# Altium PCB InsaneKeyboard.PcbDoc (part 1 of 4)
Units mil, origin at the board's own origin, x right, y up, seen from the top; angles counter-clockwise.
Board outline 7442.83 x 6333.68 mil, 4 copper layers (Top Layer, Int1 (GND), Int2 (GND), Bottom Layer), stack 60.6 mil thick; 288 components, 175 nets, 883 pads, 541 vias.
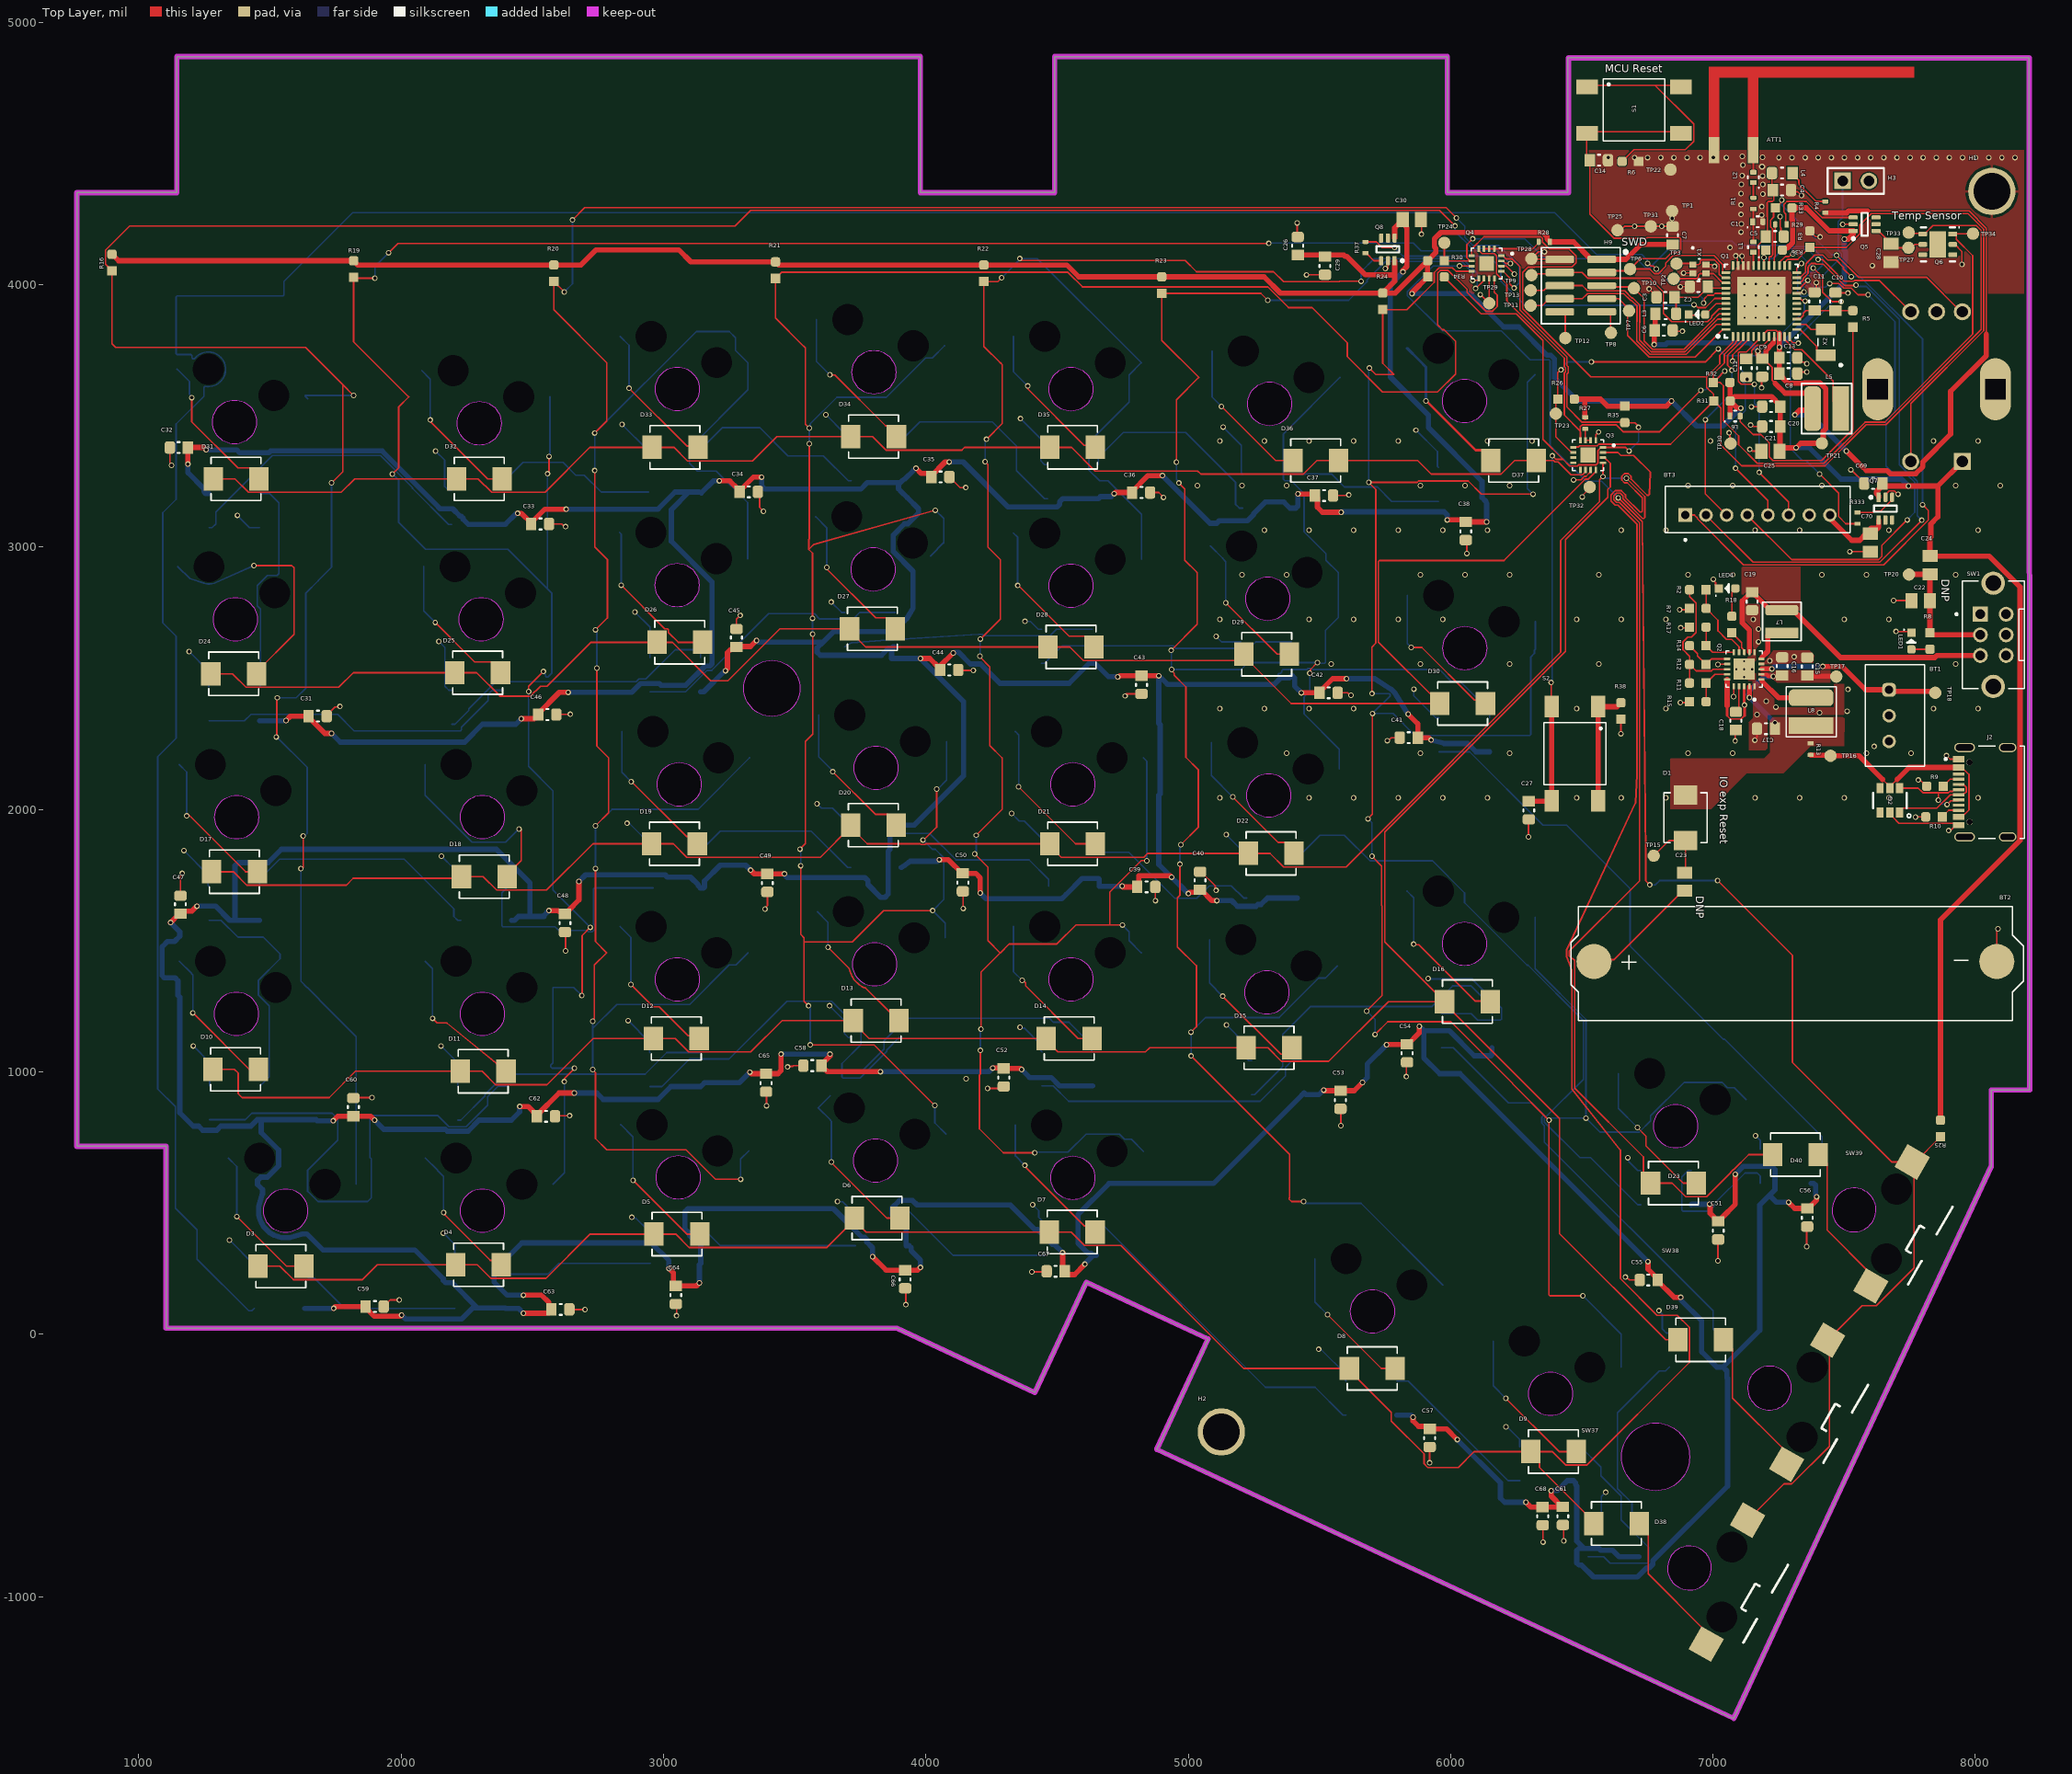
[diagram p0: Top Layer view]
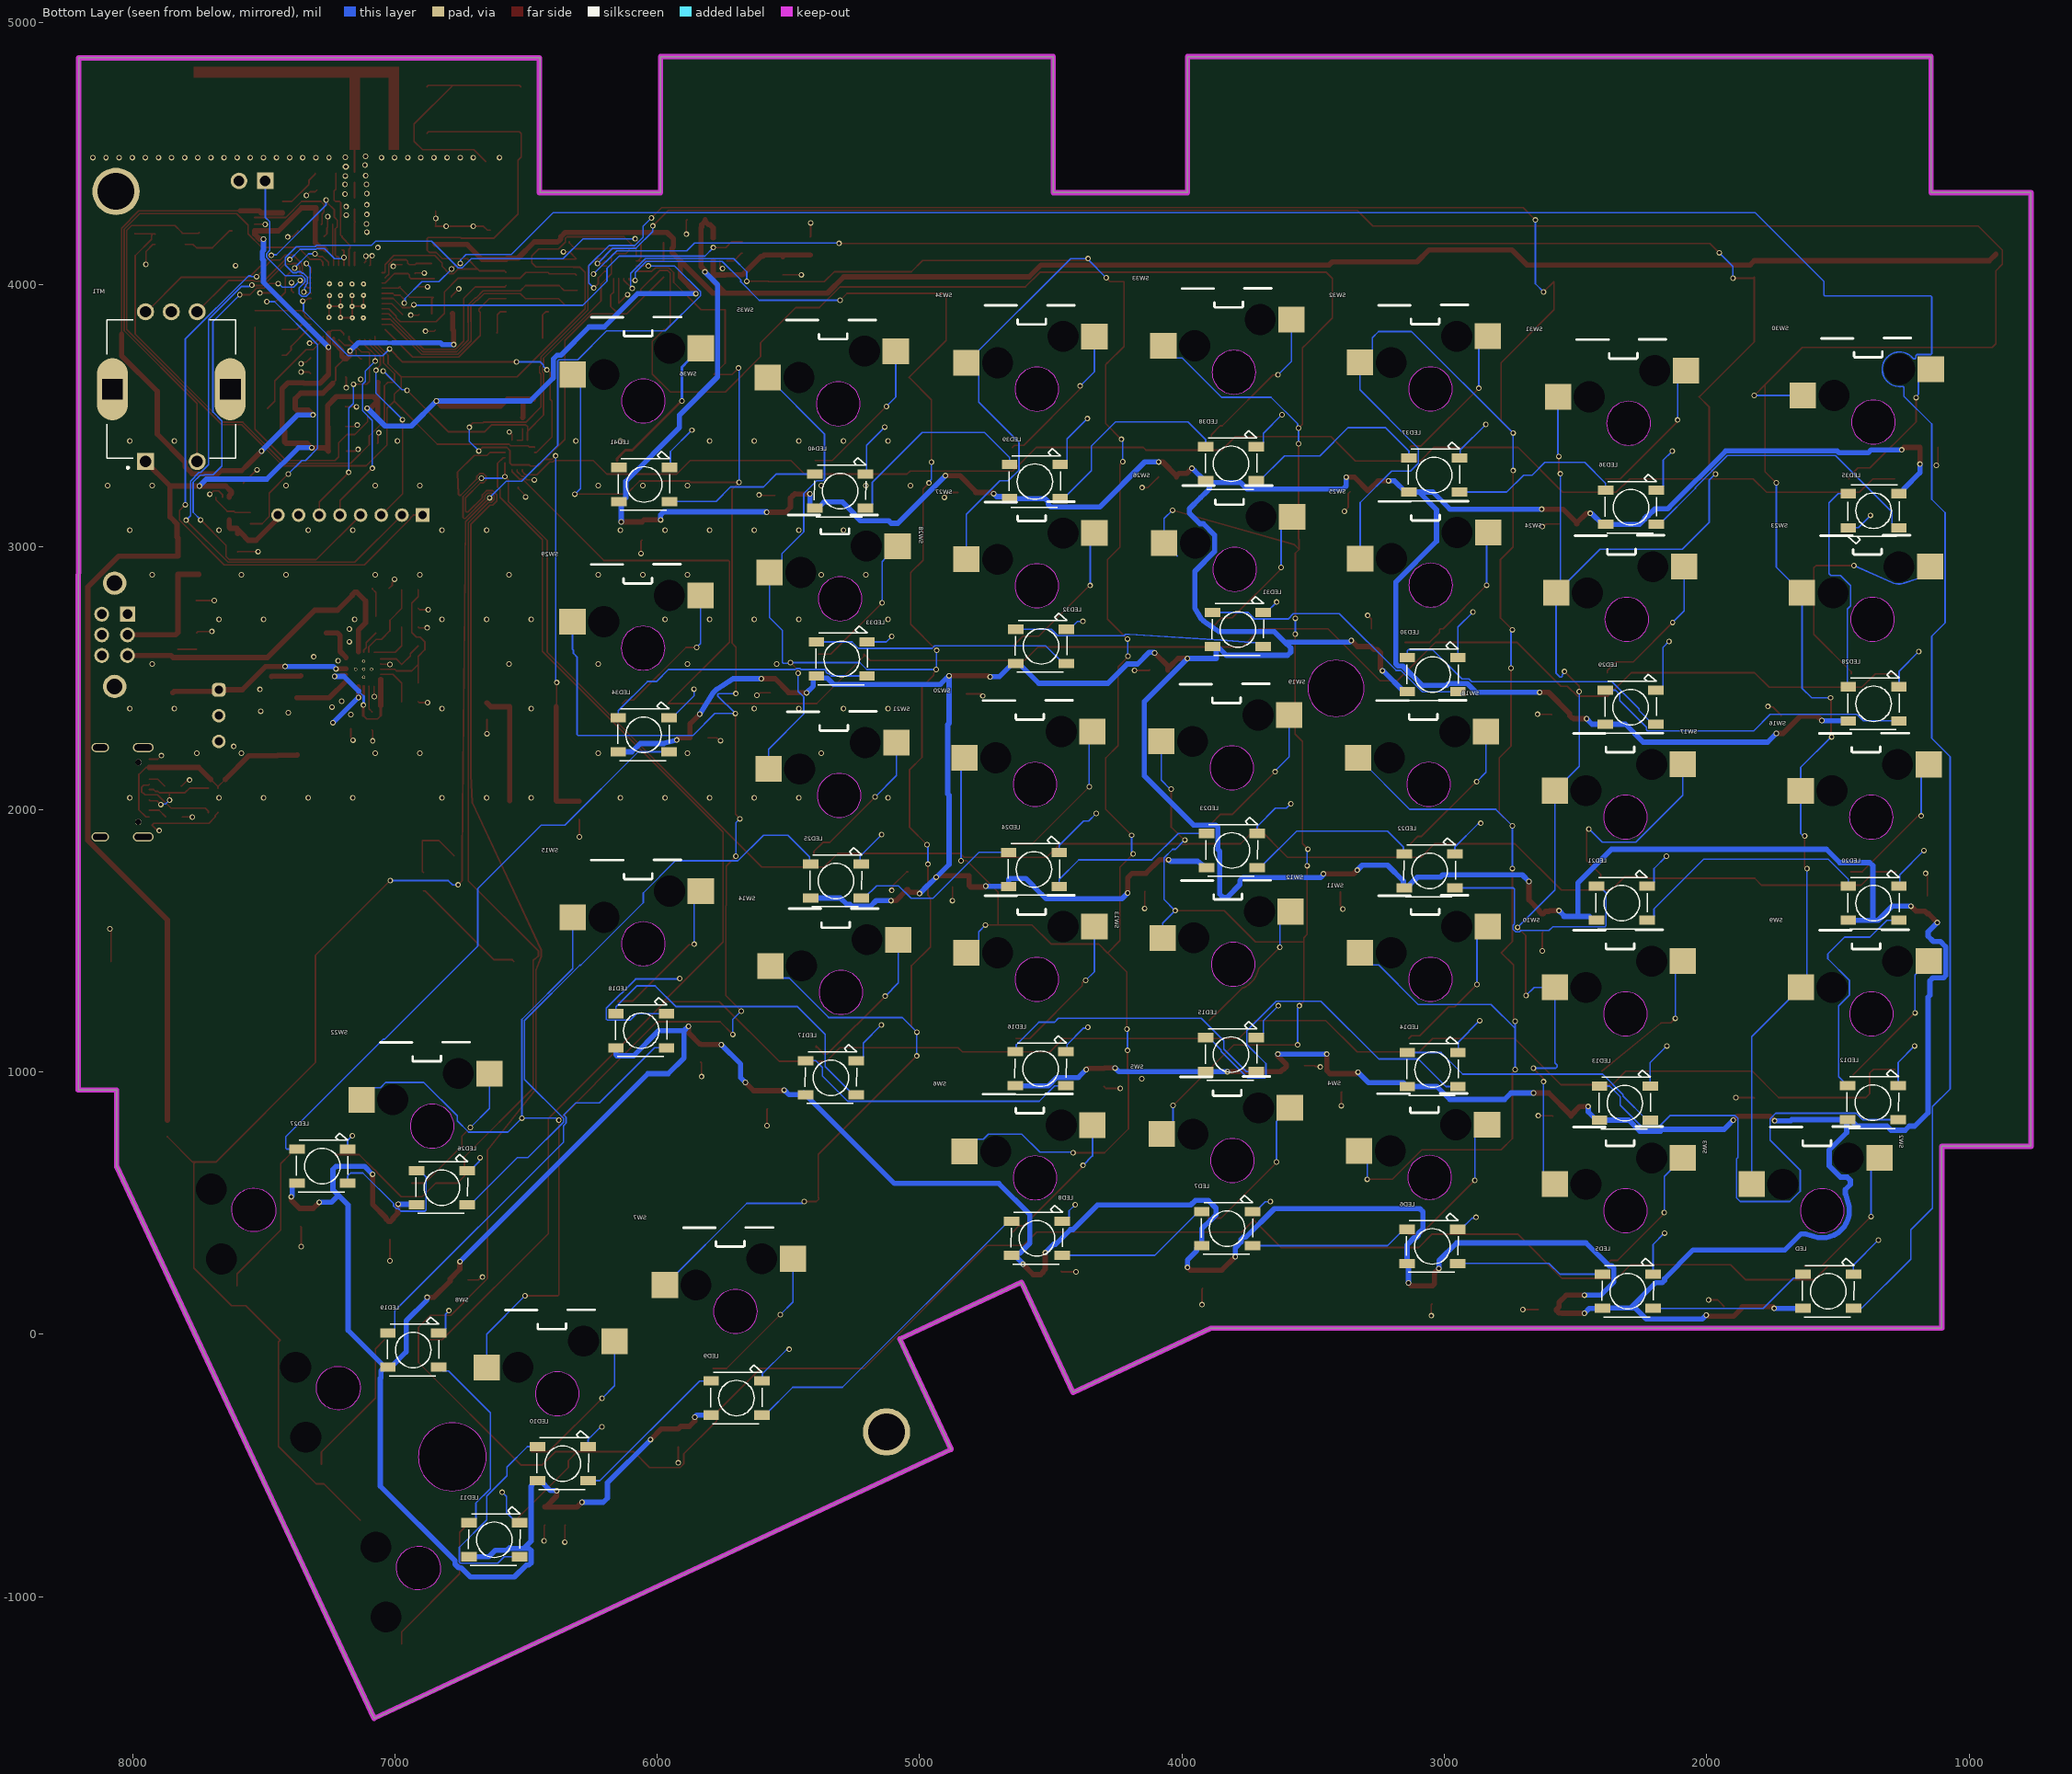
[diagram p1: Bottom Layer view, seen from below]
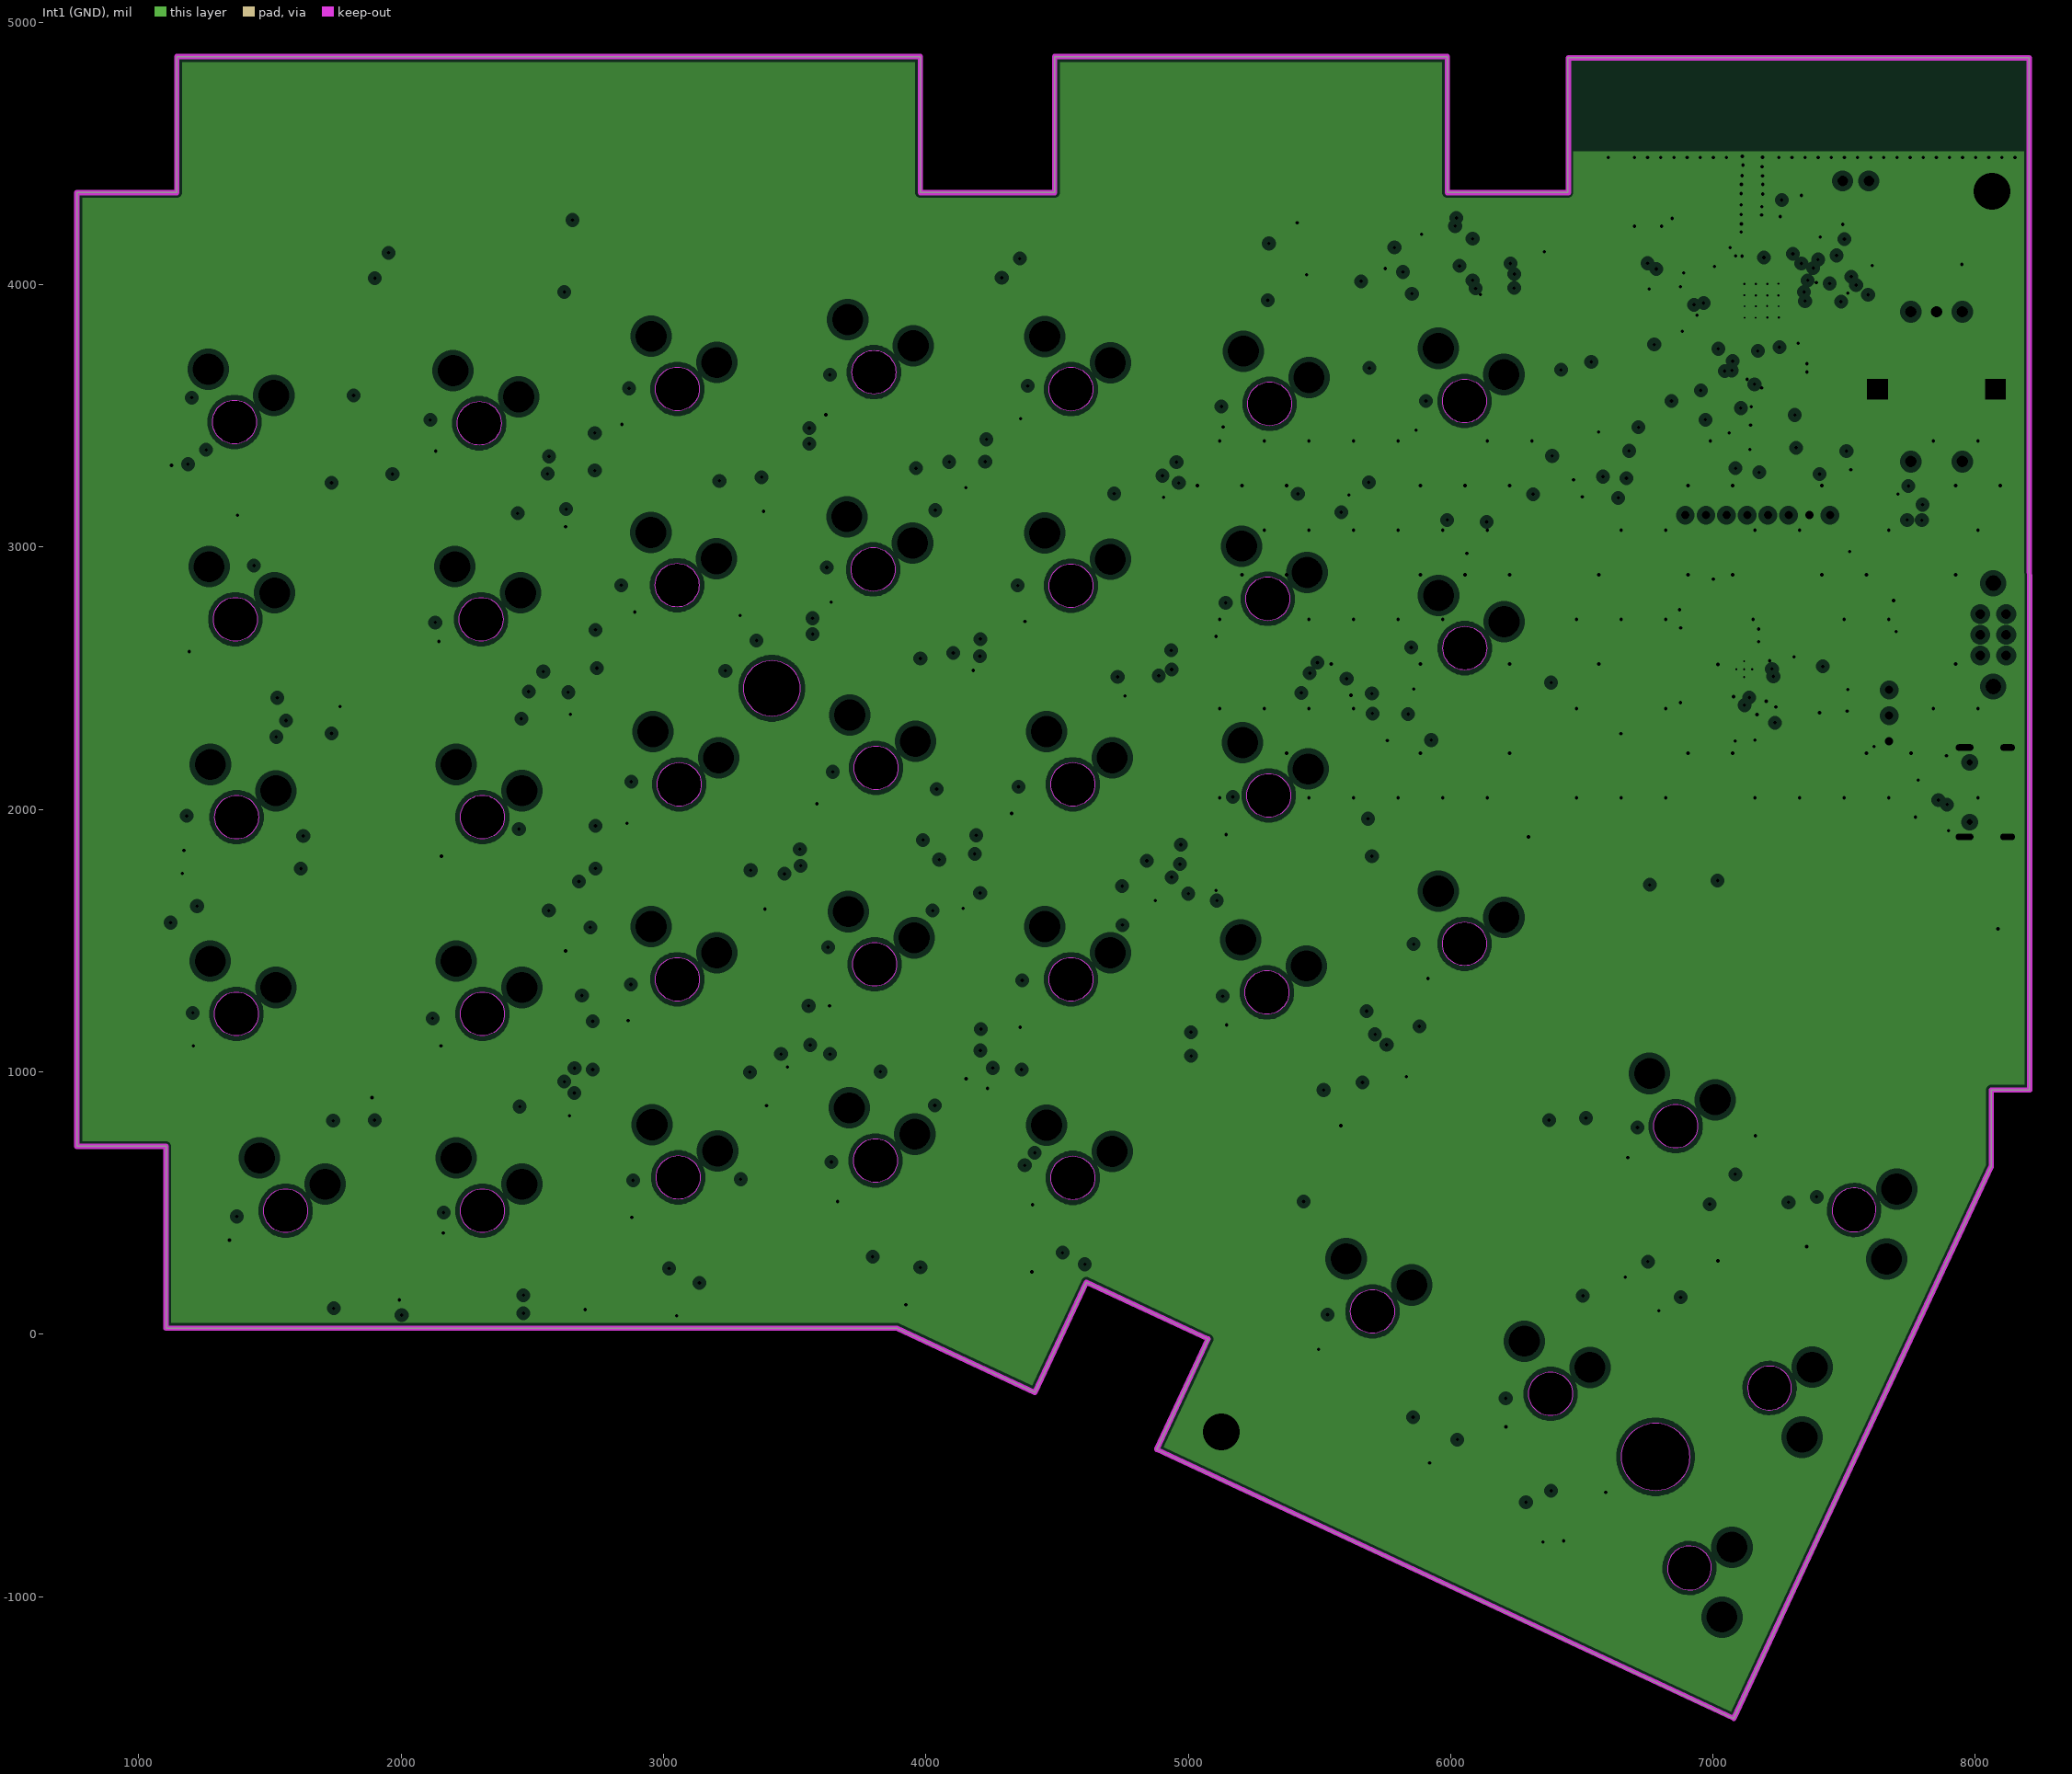
[diagram p2: Int1 (GND), clearances drawn from the general rule]
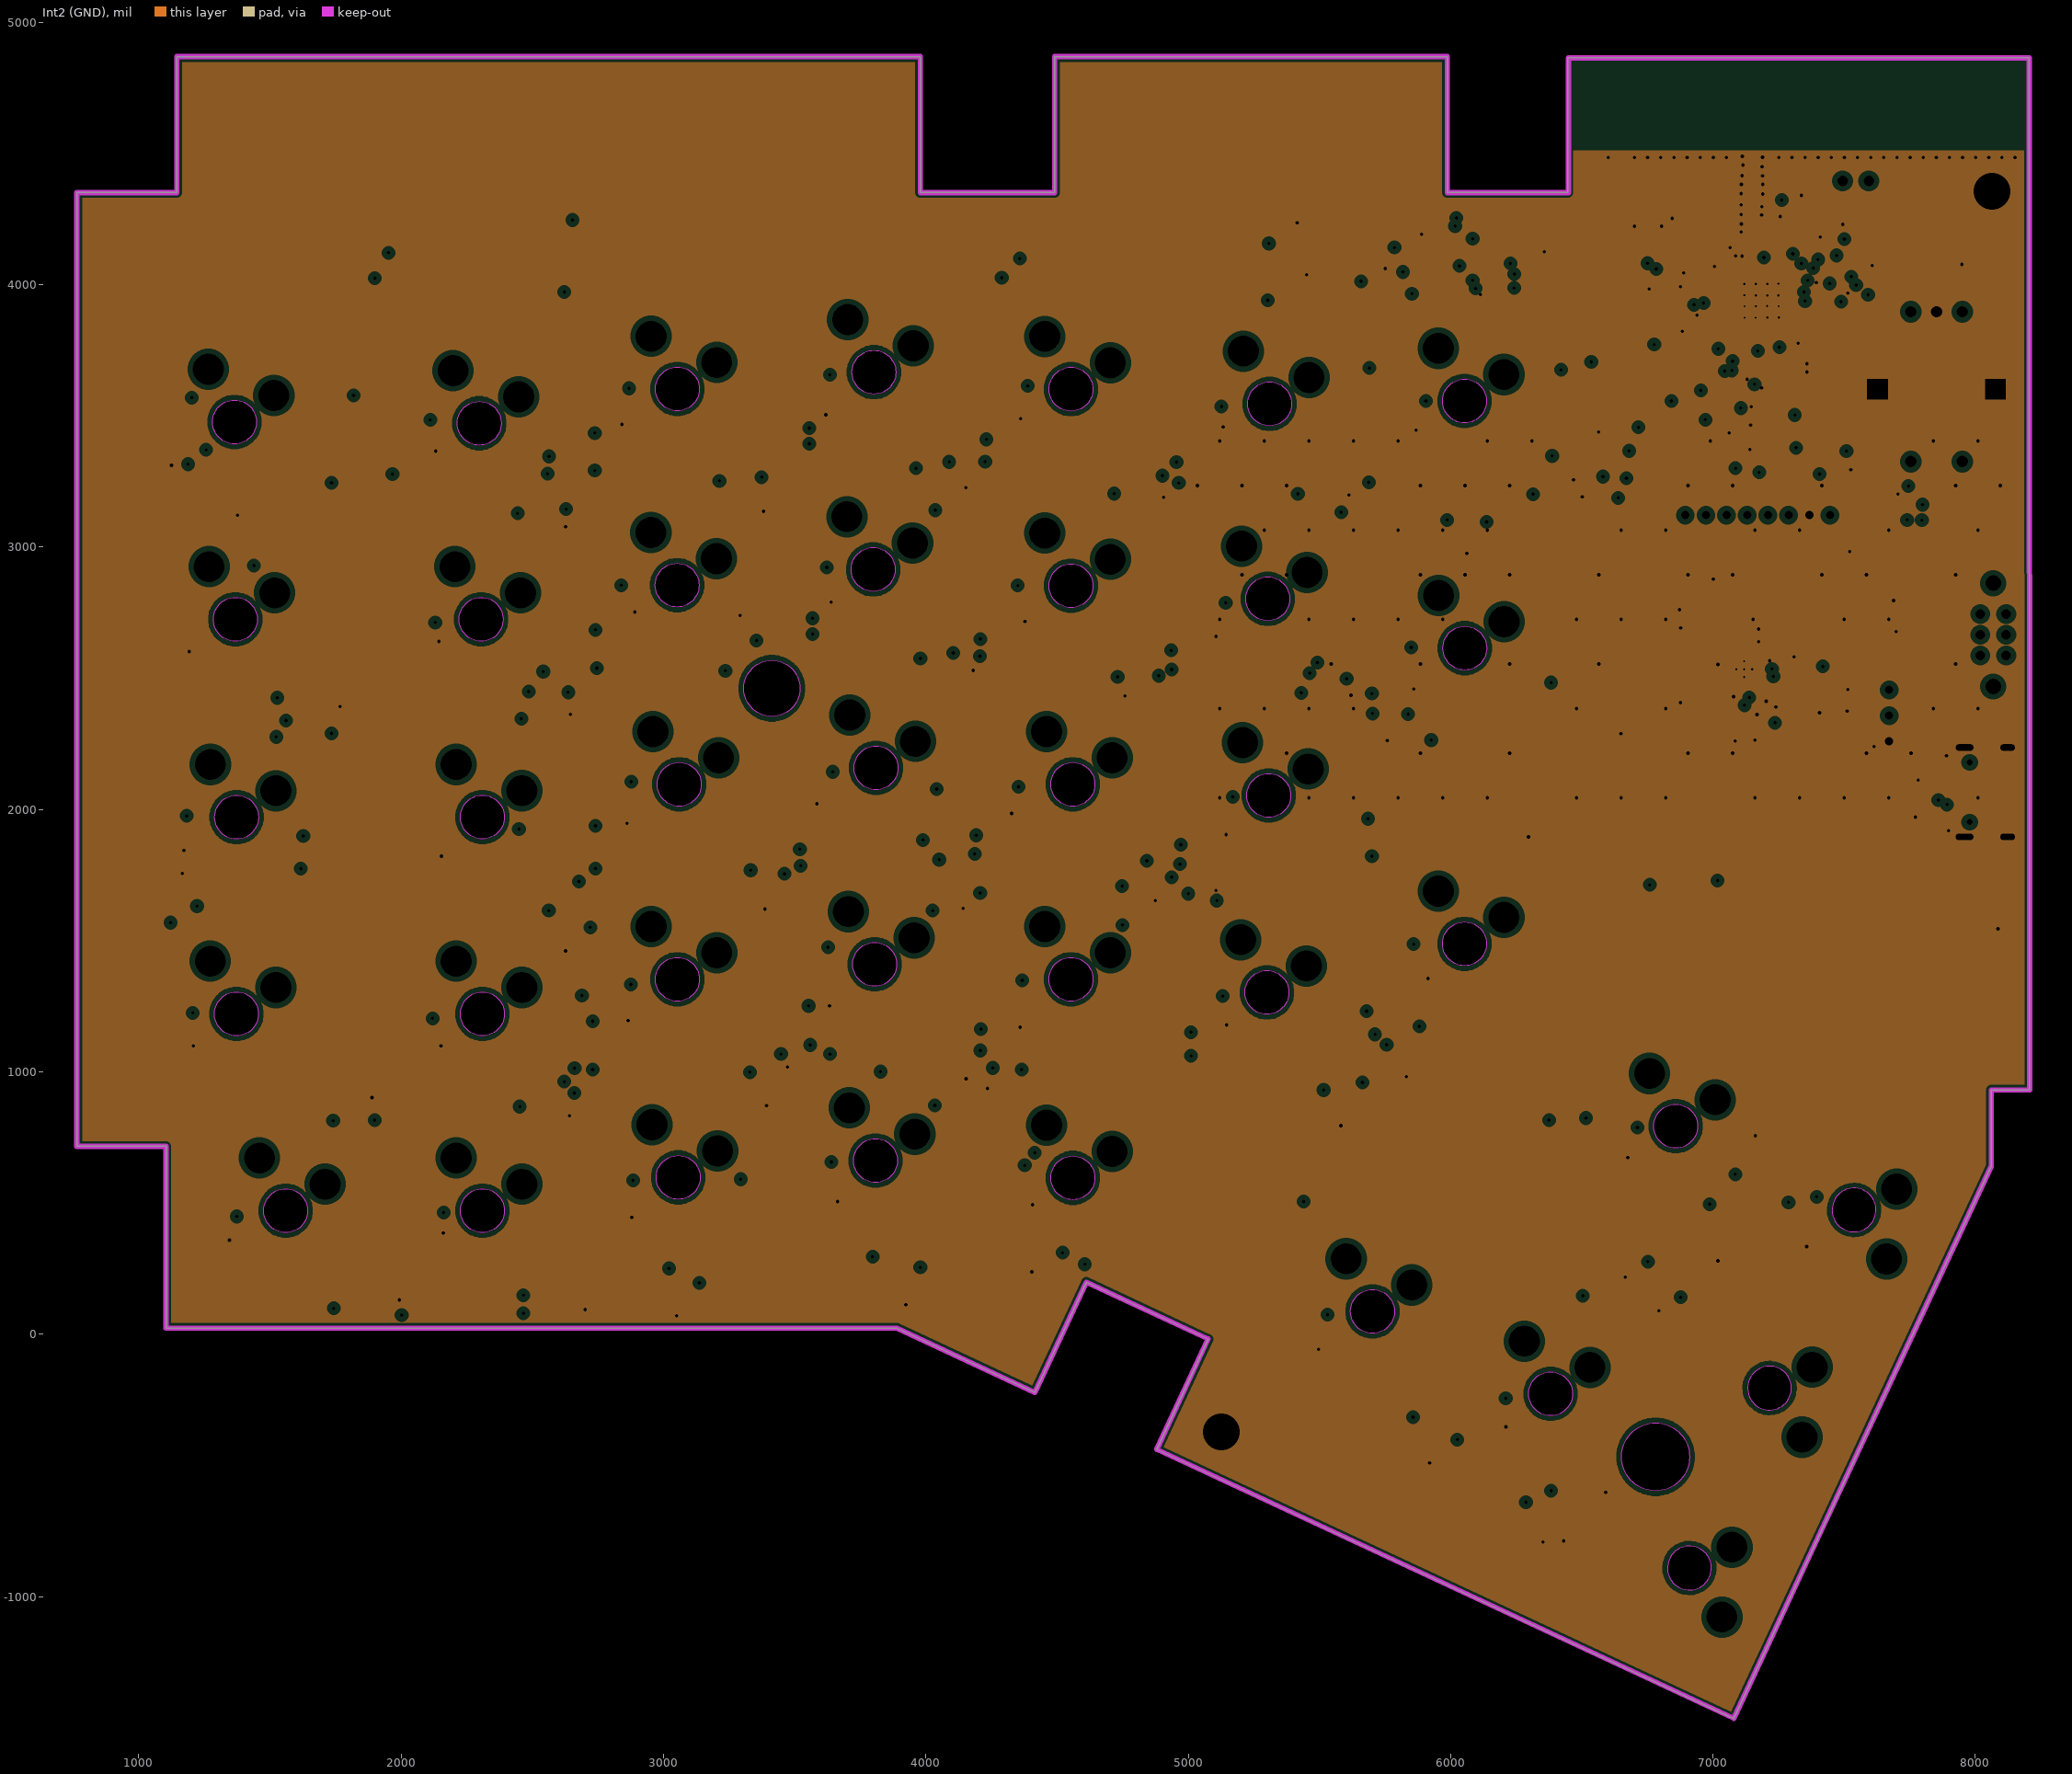
[diagram p3: Int2 (GND), clearances drawn from the general rule]
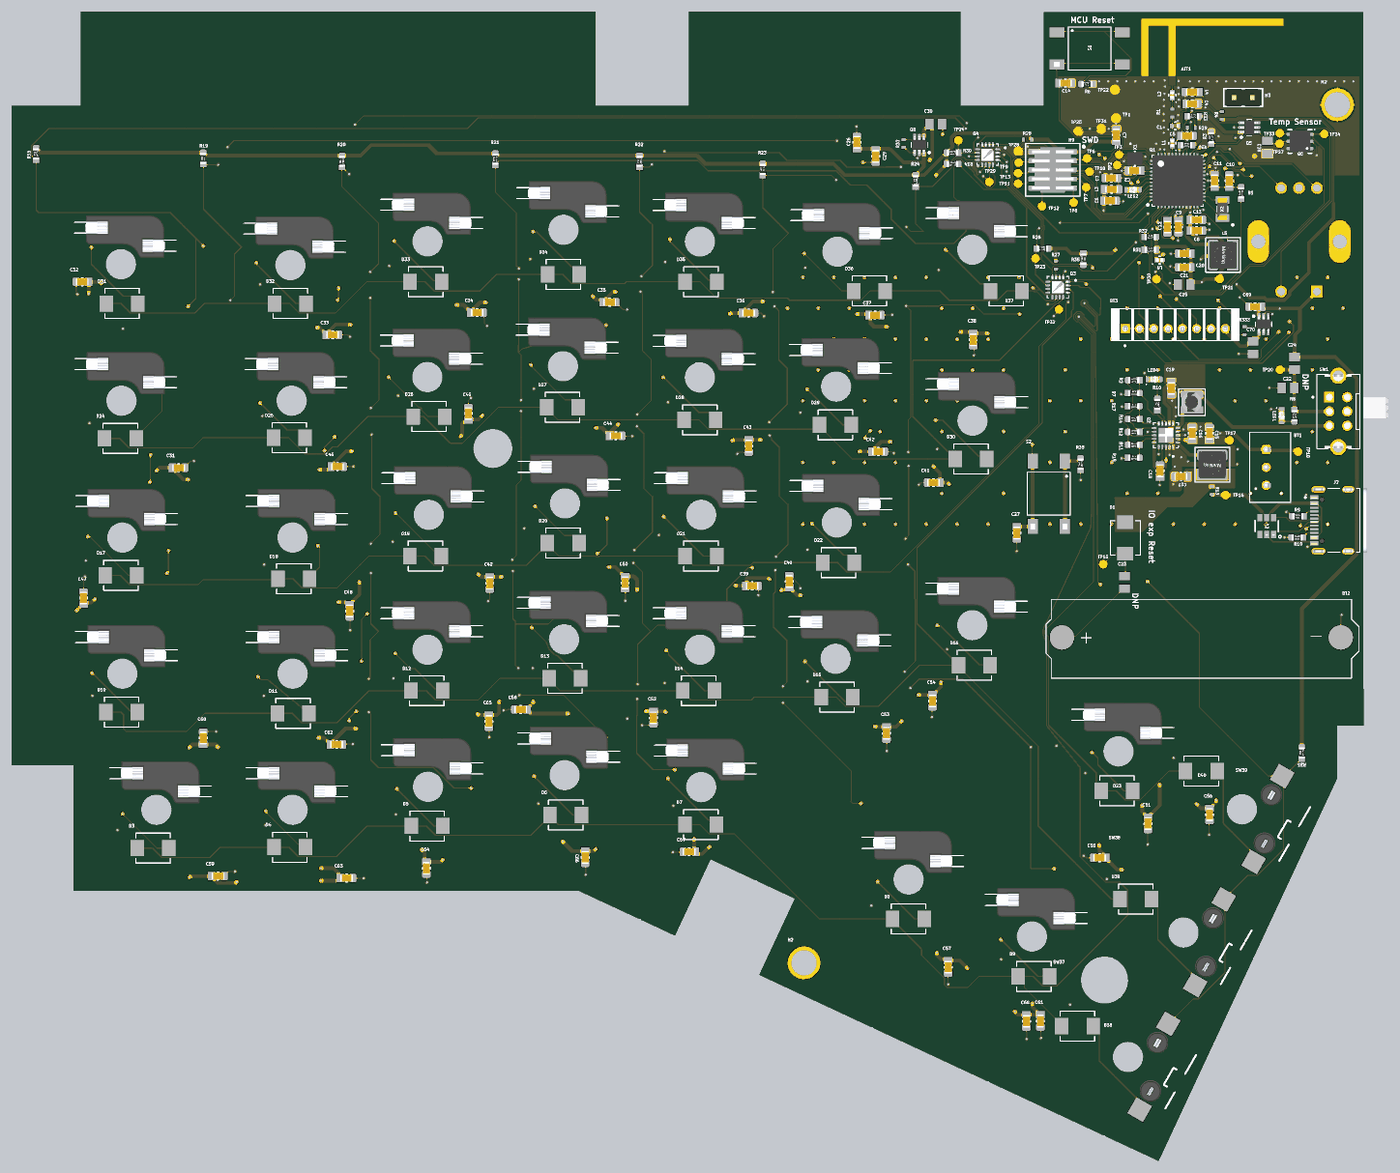
[diagram p7: 3D render of the assembled board from above, using the file's embedded part models]

## Layer stack, top to bottom
Top Solder: solder mask 0.8, SM-001, Dk 4
Top Layer: signal copper 1.4
Dielectric 1: prepreg 4, PP-017, Dk 4.3
Int1 (GND): plane copper 1.4, net GND
Dielectric 3: core 47, Core-039, Dk 4.8
Int2 (GND): plane copper 1.4, net GND
Dielectric 5: prepreg 4, PP-017, Dk 4.3
Bottom Layer: signal copper 1.4
Bottom Solder: solder mask 0.8, SM-001, Dk 4

## Board outline
7727.8,-72.43 7411.67,-750.38 7078.9,-1464 4879.58,-438.44 5075.59,-18.1 4611.73,198.2 4415.72,-222.14 3889.55,23.22 1103.92,23.22 1103.92,716.53 764.16,716.53 764.16,4351.21 1144.67,4351.21 1144.67,4869.68 3979.32,4869.68 3979.32,4351.22 4491.13,4351.22 4491.13,4869.68 5987.19,4869.68 5987.19,4351.22 6447,4351.22 6447,4865.74 8205.16,4865.75 8206.99,930.91 8060.57,930.91 8060.57,641.2
cut-out: 3520.17,2462 cw(c3413,2462) 3413,2354.83 cw(c3413,2462) 3305.83,2462 cw(c3413,2462) 3413,2569.17 cw(c3413,2462)
cut-out: 6910.63,-467 cw(c6781,-467) 6781,-596.63 cw(c6781,-467) 6651.37,-467 cw(c6781,-467) 6781,-337.37 cw(c6781,-467)
